# Altium PCB Motherboard_PCB_Trimmed.PcbDoc (part 5 of 5)
Units mm, origin at the board's own origin, x right, y up, seen from the top; angles counter-clockwise.
Board outline 167.96 x 167.95 mm, 6 copper layers (Top, VCC, VS, Internal, GND, Bottom), stack 1.797 mm thick; 578 components, 549 nets, 2587 pads, 1599 vias.
Unrouted connection lines stored in the file: 2.
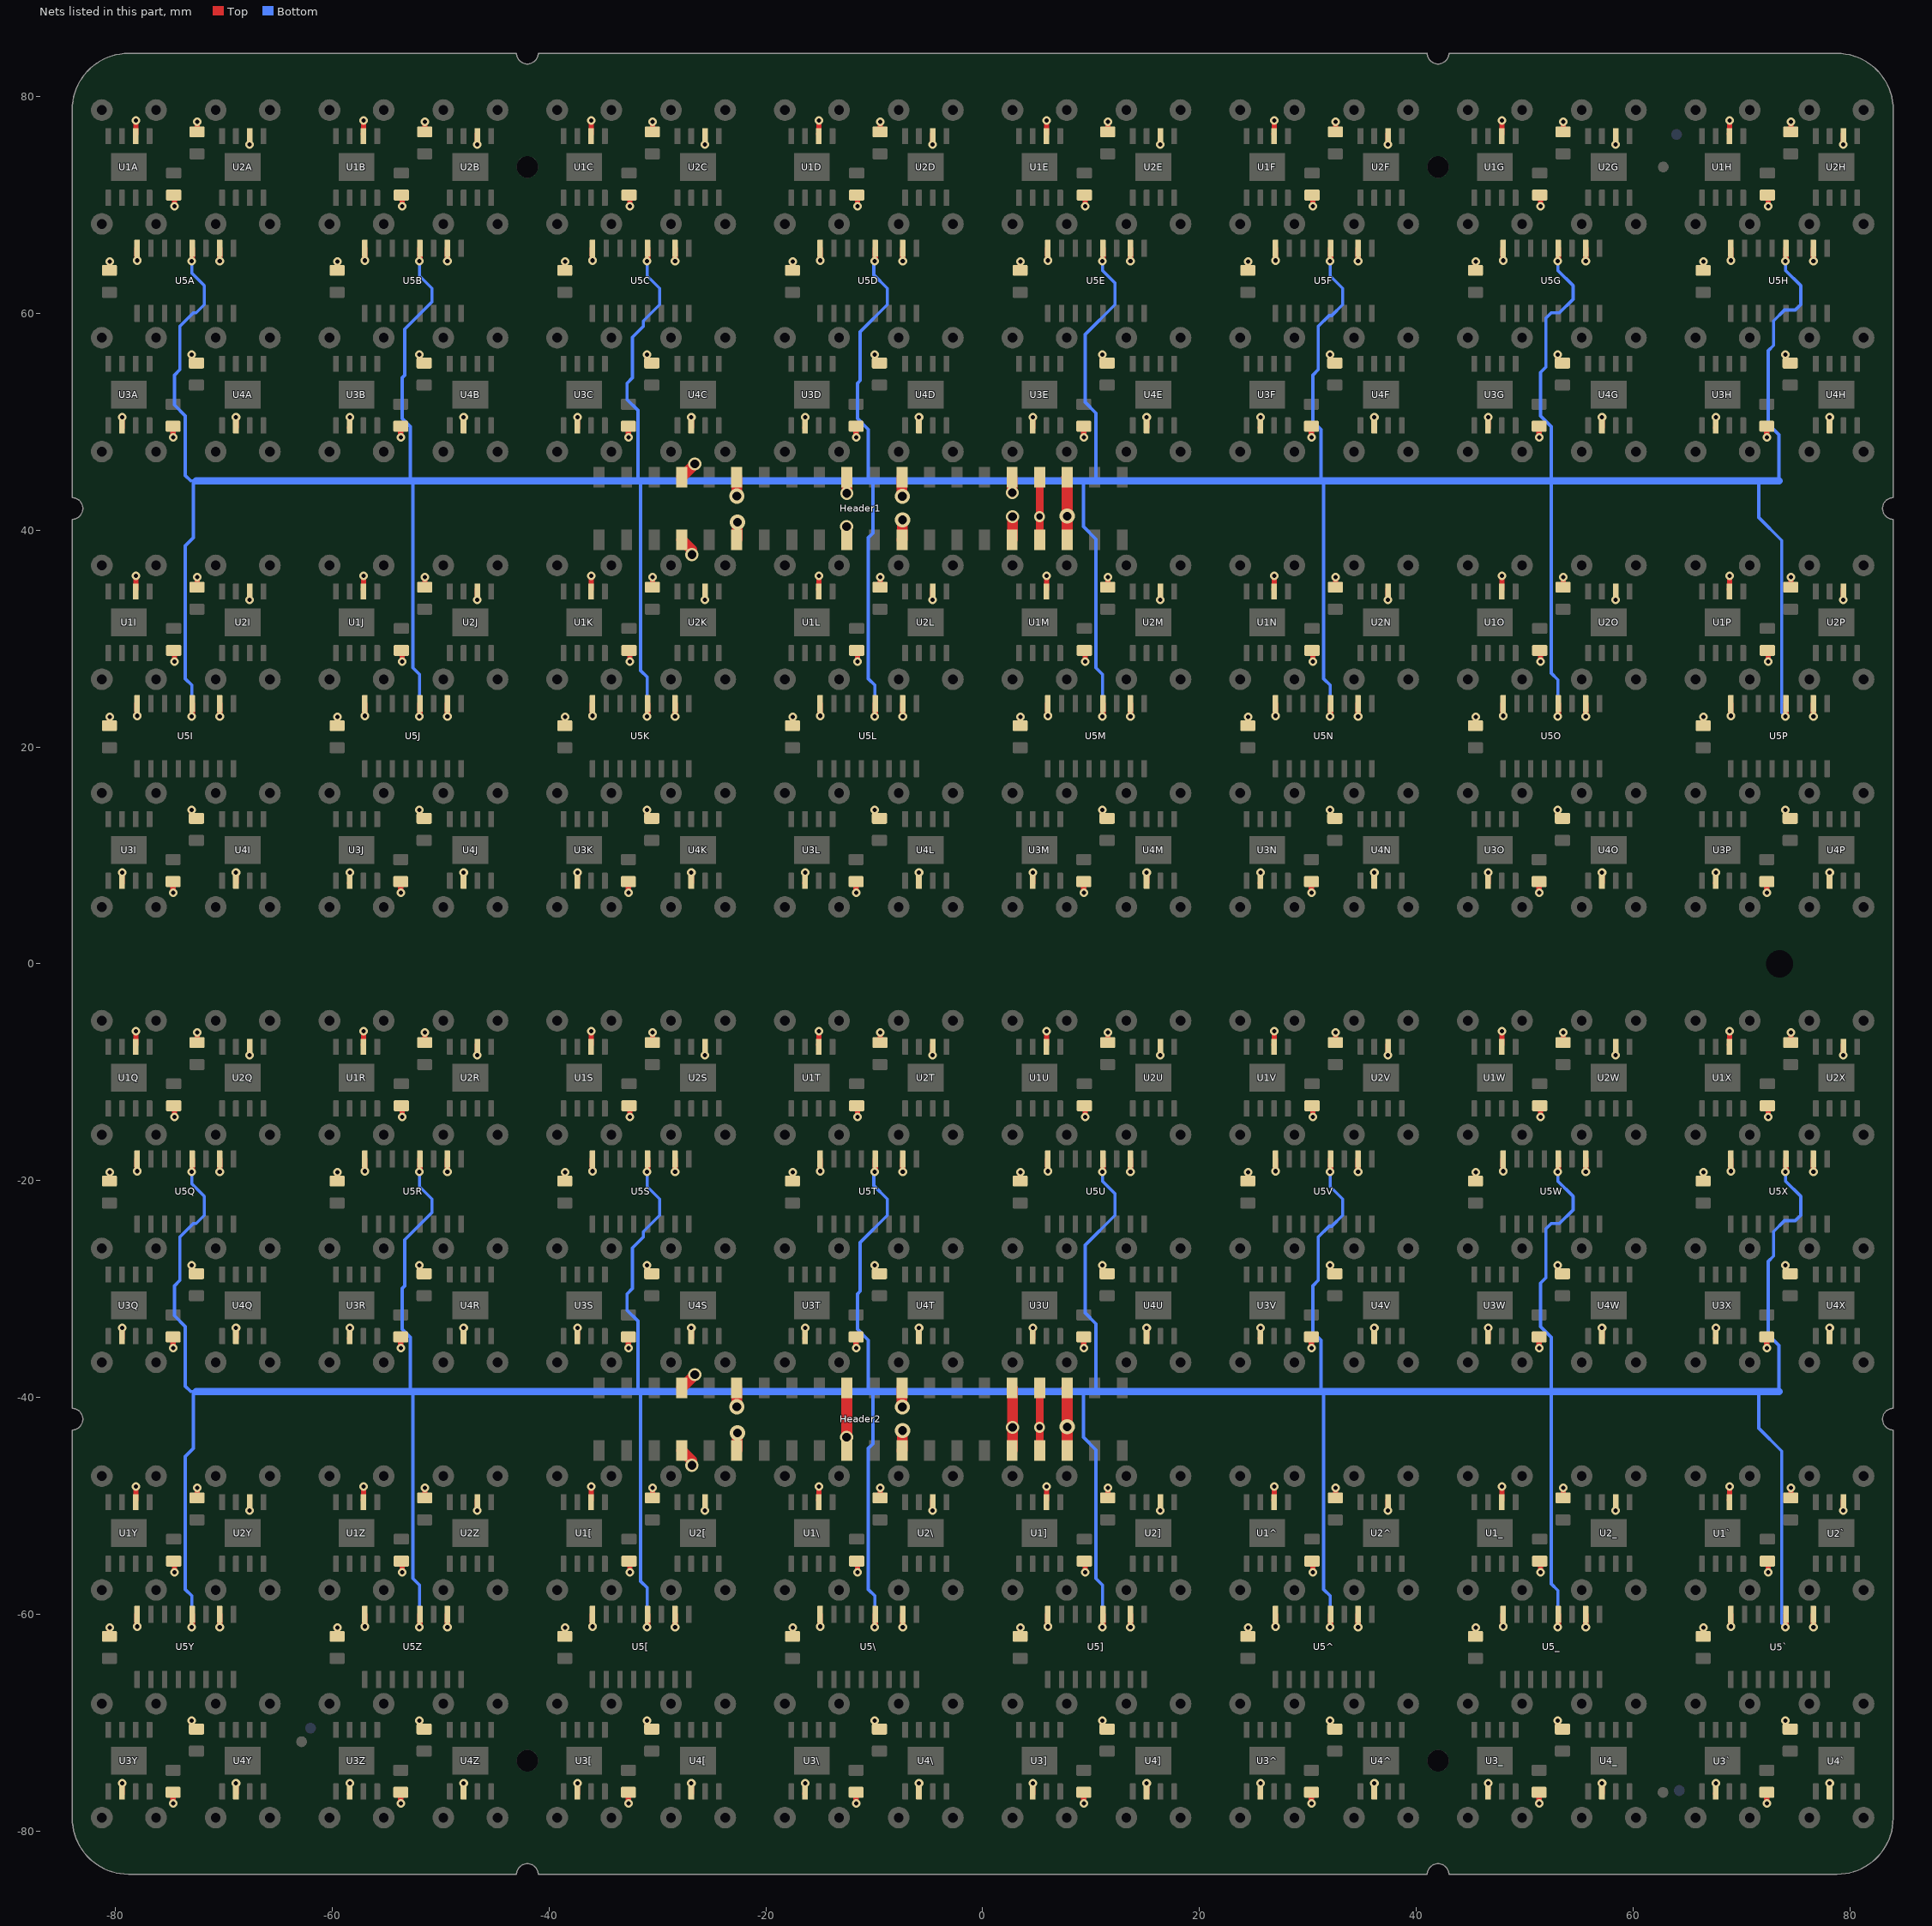
[diagram p9: the nets of this part, all layers, seen from the top]

## Via types
v1: diameter 0.8, hole 0.4, Top to Bottom, tented both sides, 1061 vias
v2: diameter 0.8, hole 0.4, Top to Bottom, 512 vias
v3: diameter 1.4, hole 0.8, Top to Bottom, tented both sides, 10 vias
v4: diameter 1.2, hole 0.8, Top to Bottom, tented both sides, 10 vias
v5: diameter 1, hole 0.6, Top to Bottom, tented both sides, 6 vias

## Nets (pads, with @x,y where several pads share a name; then routed paths per layer and width w, separated by ;. In a path a pad name is that pad's centre, name@x,y a point inside that pad or via, vN(x,y) a via of type N, cw(c..) or ccw(c..) an arc to the next point about the centre after c; other vN are vias at no path point) (continued)
STCP: Header1.33 Header1.34 Header2.33 Header2.34 U5[.12 U5\.12 U5].12 U5^.12 U5_.12 U5`.12 U5A.12 U5B.12 U5C.12 U5D.12 U5E.12 U5F.12 U5G.12 U5H.12 U5I.12 U5J.12 U5K.12 U5L.12 U5M.12 U5N.12 U5O.12 U5P.12 U5Q.12 U5R.12 U5S.12 U5T.12 U5U.12 U5V.12 U5W.12 U5X.12 U5Y.12 U5Z.12 | length 1065.9
  Top w0.5: v1(-72.95,-61.175) -72.915,-61.14 U5Y.12@-72.915,-60 ; v1(-72.95,-19.175) -72.915,-19.14 U5Q.12@-72.915,-18 ; v1(-72.95,22.825) -72.915,22.86 U5I.12@-72.915,24 ; v1(-72.95,64.825) -72.915,64.86 U5A.12@-72.915,66 ; v1(-51.95,-61.175) -51.915,-61.14 U5Z.12@-51.915,-60 ; v1(-51.95,-19.175) -51.915,-19.14 U5R.12@-51.915,-18 ; v1(-51.95,22.825) -51.915,22.86 U5J.12@-51.915,24 ; v1(-51.95,64.825) -51.915,64.86 U5B.12@-51.915,66 ; v1(-30.95,-61.175) -30.915,-61.14 U5[.12@-30.915,-60 ; v1(-30.95,-19.175) -30.915,-19.14 U5S.12@-30.915,-18 ; v1(-30.95,22.825) -30.915,22.86 U5K.12@-30.915,24 ; v1(-30.95,64.825) -30.915,64.86 U5C.12@-30.915,66 ; v1(-9.95,-61.175) -9.915,-61.14 U5\.12@-9.915,-60 ; v1(-9.95,-19.175) -9.915,-19.14 U5T.12@-9.915,-18 ; v1(-9.95,22.825) -9.915,22.86 U5L.12@-9.915,24 ; v1(-9.95,64.825) -9.915,64.86 U5D.12@-9.915,66 ; v1(11.05,-61.175) 11.085,-61.14 U5].12@11.085,-60 ; v1(11.05,-19.175) 11.085,-19.14 U5U.12@11.085,-18 ; v1(11.05,22.825) 11.085,22.86 U5M.12@11.085,24 ; v1(11.05,64.825) 11.085,64.86 U5E.12@11.085,66 ; v1(32.05,-61.175) 32.085,-61.14 U5^.12@32.085,-60 ; v1(32.05,-19.175) 32.085,-19.14 U5V.12@32.085,-18 ; v1(32.05,22.825) 32.085,22.86 U5N.12@32.085,24 ; v1(32.05,64.825) 32.085,64.86 U5F.12@32.085,66 ; v1(53.05,-61.175) 53.085,-61.14 U5_.12@53.085,-60 ; v1(53.05,-19.175) 53.085,-19.14 U5W.12@53.085,-18 ; v1(53.05,22.825) 53.085,22.86 U5O.12@53.085,24 ; v1(53.05,64.825) 53.085,64.86 U5G.12@53.085,66 ; v1(74.05,-61.175) 74.085,-61.14 U5`.12@74.085,-60 ; v1(74.05,-19.175) 74.085,-19.14 U5X.12@74.085,-18 ; v1(74.05,22.825) 74.085,22.86 U5P.12@74.085,24 ; v1(74.05,64.825) 74.085,64.86 U5H.12@74.085,66
  Top w0.7: Header2.33@5.255,-44.887 v5(5.255,-42.75) Header2.34@5.255,-39.106 Header2.34@5.255,-39.1 ; Header1.33@5.255,39.112 v5(5.255,41.25) Header1.34@5.255,44.9
  Bottom w0.3: v1(-72.95,-61.175) -72.95,-58.3 -73.55,-57.7 -73.55,-45.45 -72.8,-44.7 -72.8,-39.7 -72.55,-39.45 -73.05,-39.45 -73.55,-38.95 -73.55,-33.45 -74.55,-32.45 -74.55,-29.7 -74.05,-29.2 -74.05,-25.2 -72.8,-23.95 -72.55,-23.95 -71.8,-23.2 -71.8,-21.45 -72.95,-20.3 v1(-72.95,-19.175) ; v1(-72.95,22.825) -72.95,25.7 -73.55,26.3 -73.55,38.55 -72.8,39.3 -72.8,44.3 -72.55,44.55 -73.05,44.55 -73.55,45.05 -73.55,50.55 -74.55,51.55 -74.55,54.3 -74.05,54.8 -74.05,58.8 -72.8,60.05 -72.55,60.05 -71.8,60.8 -71.8,62.55 -72.95,63.7 v1(-72.95,64.825) ; v1(-51.95,-61.175) -51.95,-57.3 -52.55,-56.7 -52.55,-39.7 -52.8,-39.45 -52.8,-34.45 -53.55,-33.7 -53.55,-29.95 -53.3,-29.7 -53.3,-25.45 -50.8,-22.95 -50.8,-21.7 -51.95,-20.55 v1(-51.95,-19.175) ; v1(-51.95,22.825) -51.95,26.7 -52.55,27.3 -52.55,44.3 -52.8,44.55 -52.8,49.55 -53.55,50.3 -53.55,54.05 -53.3,54.3 -53.3,58.55 -50.8,61.05 -50.8,62.3 -51.95,63.45 v1(-51.95,64.825) ; v1(-30.95,-61.175) -30.95,-57.55 -31.55,-56.95 -31.55,-39.7 -31.8,-39.45 -31.8,-32.95 -32.8,-31.95 -32.8,-30.45 -32.3,-29.95 -32.3,-26.2 -31.3,-25.2 -31.3,-24.7 -29.8,-23.2 -29.8,-21.7 -30.95,-20.55 v1(-30.95,-19.175) ; v1(-30.95,22.825) -30.95,26.45 -31.55,27.05 -31.55,44.3 -31.8,44.55 -31.8,51.05 -32.8,52.05 -32.8,53.55 -32.3,54.05 -32.3,57.8 -31.3,58.8 -31.3,59.3 -29.8,60.8 -29.8,62.3 -30.95,63.45 v1(-30.95,64.825) ; -10.55,-39.45 -10.55,-34.7 -11.55,-33.7 -11.55,-30.45 -11.3,-30.2 -11.3,-25.7 -8.8,-23.2 -8.8,-21.7 -10.05,-20.45 -10.05,-19.2 -9.975,-19.2 v1(-9.95,-19.175) ; -10.55,44.55 -10.55,49.3 -11.55,50.3 -11.55,53.55 -11.3,53.8 -11.3,58.3 -8.8,60.8 -8.8,62.3 -10.05,63.55 -10.05,64.8 -9.975,64.8 v1(-9.95,64.825) ; -10.125,-39.45 -10.125,-44.275 -10.55,-44.7 -10.55,-57.7 -9.95,-58.3 v1(-9.95,-61.175) ; -10.125,44.55 -10.125,39.725 -10.55,39.3 -10.55,26.3 -9.95,25.7 v1(-9.95,22.825) ; 9.3,-39.45 9.3,-43.675 10.45,-44.825 10.45,-56.7 11.05,-57.3 v1(11.05,-61.175) ; 9.3,44.55 9.3,40.325 10.45,39.175 10.45,27.3 11.05,26.7 v1(11.05,22.825) ; 10.45,-39.45 10.45,-33.2 9.45,-32.2 9.45,-25.95 12.2,-23.2 12.2,-21.2 11.05,-20.05 v1(11.05,-19.175) ; 10.45,44.55 10.45,50.8 9.45,51.8 9.45,58.05 12.2,60.8 12.2,62.8 11.05,63.95 v1(11.05,64.825) ; v1(32.05,-61.175) 32.05,-58.3 31.45,-57.7 31.45,-39.7 31.2,-39.45 31.2,-34.7 30.45,-33.95 30.45,-29.7 30.95,-29.2 30.95,-25.2 31.95,-24.2 32.2,-24.2 33.2,-23.2 33.2,-21.7 32.05,-20.55 v1(32.05,-19.175) ; v1(32.05,22.825) 32.05,25.7 31.45,26.3 31.45,44.3 31.2,44.55 31.2,49.3 30.45,50.05 30.45,54.3 30.95,54.8 30.95,58.8 31.95,59.8 32.2,59.8 33.2,60.8 33.2,62.3 32.05,63.45 v1(32.05,64.825) ; v1(53.05,-61.175) 53.05,-57.8 52.45,-57.2 52.45,-44.7 52.45,-39.45 52.45,-34.45 51.45,-33.45 51.45,-29.45 51.95,-28.95 51.95,-24.45 52.45,-23.95 53.2,-23.95 54.45,-22.7 54.45,-21.45 53.05,-20.05 v1(53.05,-19.175) ; v1(53.05,22.825) 53.05,26.2 52.45,26.8 52.45,39.3 52.45,44.55 52.45,49.55 51.45,50.55 51.45,54.55 51.95,55.05 51.95,59.55 52.45,60.05 53.2,60.05 54.45,61.3 54.45,62.55 53.05,63.95 v1(53.05,64.825) ; 71.575,-39.45 71.575,-42.825 73.7,-44.95 73.7,-60.825 v1(74.05,-61.175) ; 71.575,44.55 71.575,41.175 73.7,39.05 73.7,23.175 v1(74.05,22.825) ; 73.45,-39.45 73.45,-35.2 72.45,-34.2 72.45,-27.45 72.95,-26.95 72.95,-24.7 73.95,-23.7 74.95,-23.7 75.45,-23.2 75.45,-21.45 74.05,-20.05 v1(74.05,-19.175) ; 73.45,44.55 73.45,48.8 72.45,49.8 72.45,56.55 72.95,57.05 72.95,59.3 73.95,60.3 74.95,60.3 75.45,60.8 75.45,62.55 74.05,63.95 v1(74.05,64.825)
  Bottom w0.7: -72.55,-39.45 -52.8,-39.45 -31.8,-39.45 -10.55,-39.45 -10.125,-39.45 5.275,-39.45 ; -72.55,44.55 -52.8,44.55 -31.8,44.55 -10.55,44.55 -10.125,44.55 5.275,44.55 ; v5(5.255,-42.75) 5.255,-39.48 5.25,-39.475 5.275,-39.45 ; v5(5.255,41.25) 5.255,44.52 5.25,44.525 5.275,44.55 ; 73.45,-39.45 71.575,-39.45 52.45,-39.45 31.2,-39.45 10.45,-39.45 9.3,-39.45 5.275,-39.45 ; 73.45,44.55 71.575,44.55 52.45,44.55 31.2,44.55 10.45,44.55 9.3,44.55 5.275,44.55
VCC: C1[.1 C1\.1 C1].1 C1^.1 C1_.1 C1`.1 C1A.1 C1B.1 C1C.1 C1D.1 C1E.1 C1F.1 C1G.1 C1H.1 C1I.1 C1J.1 C1K.1 C1L.1 C1M.1 C1N.1 C1O.1 C1P.1 C1Q.1 C1R.1 C1S.1 C1T.1 C1U.1 C1V.1 C1W.1 C1X.1 C1Y.1 C1Z.1 Header1.7 Header1.8 Header1.19 Header1.20 Header1.31 Header1.32 Header2.7 Header2.8 Header2.19 Header2.20 Header2.31 Header2.32 U5[.10 U5[.16 U5\.10 U5\.16 U5].10 U5].16 U5^.10 U5^.16 U5_.10 U5_.16 U5`.10 U5`.16 U5A.10 U5A.16 U5B.10 U5B.16 U5C.10 U5C.16 U5D.10 U5D.16 U5E.10 U5E.16 U5F.10 U5F.16 U5G.10 U5G.16 U5H.10 U5H.16 U5I.10 U5I.16 U5J.10 U5J.16 U5K.10 U5K.16 U5L.10 U5L.16 U5M.10 U5M.16 U5N.10 U5N.16 U5O.10 U5O.16 U5P.10 U5P.16 U5Q.10 U5Q.16 U5R.10 U5R.16 U5S.10 U5S.16 U5T.10 U5T.16 U5U.10 U5U.16 U5V.10 U5V.16 U5W.10 U5W.16 U5X.10 U5X.16 U5Y.10 U5Y.16 U5Z.10 U5Z.16 | length 124.8
  Top w0.381: C1Q.1@-80.55,-20.034 -80.55,-19.25 v1(-80.525,-19.225) ; C1A.1@-80.55,63.966 -80.55,64.75 v1(-80.525,64.775)
  Top w0.508: C1Y.1@-80.55,-62.034 -80.525,-62.009 v1(-80.525,-61.225) ; C1I.1@-80.55,21.966 -80.525,21.991 v1(-80.525,22.775) ; v1(-78,-61.125) -77.995,-61.12 U5Y.16@-77.995,-60 ; v1(-78,-19.125) -77.995,-19.12 U5Q.16@-77.995,-18 ; v1(-78,22.875) -77.995,22.88 U5I.16@-77.995,24 ; v1(-78,64.875) -77.995,64.88 U5A.16@-77.995,66 ; v1(-70.375,-61.175) U5Y.10@-70.375,-60 ; v1(-70.375,-19.175) U5Q.10@-70.375,-18 ; v1(-70.375,22.825) U5I.10@-70.375,24 ; v1(-70.375,64.825) U5A.10@-70.375,66 ; C1Z.1@-59.55,-62.034 -59.525,-62.009 v1(-59.525,-61.225) ; C1R.1@-59.55,-20.034 -59.525,-20.009 v1(-59.525,-19.225) ; C1J.1@-59.55,21.966 -59.525,21.991 v1(-59.525,22.775) ; C1B.1@-59.55,63.966 -59.525,63.991 v1(-59.525,64.775) ; v1(-57,-61.125) -56.995,-61.12 U5Z.16@-56.995,-60 ; v1(-57,-19.125) -56.995,-19.12 U5R.16@-56.995,-18 ; v1(-57,22.875) -56.995,22.88 U5J.16@-56.995,24 ; v1(-57,64.875) -56.995,64.88 U5B.16@-56.995,66 ; v1(-49.375,-61.175) U5Z.10@-49.375,-60 ; v1(-49.375,-19.175) U5R.10@-49.375,-18 ; v1(-49.375,22.825) U5J.10@-49.375,24 ; v1(-49.375,64.825) U5B.10@-49.375,66 ; C1[.1@-38.55,-62.034 -38.525,-62.009 v1(-38.525,-61.225) ; C1S.1@-38.55,-20.034 -38.525,-20.009 v1(-38.525,-19.225) ; C1K.1@-38.55,21.966 -38.525,21.991 v1(-38.525,22.775) ; C1C.1@-38.55,63.966 -38.525,63.991 v1(-38.525,64.775) ; v1(-36,-61.125) -35.995,-61.12 U5[.16@-35.995,-60 ; v1(-36,-19.125) -35.995,-19.12 U5S.16@-35.995,-18 ; v1(-36,22.875) -35.995,22.88 U5K.16@-35.995,24 ; v1(-36,64.875) -35.995,64.88 U5C.16@-35.995,66 ; v1(-28.375,-61.175) U5[.10@-28.375,-60 ; v1(-28.375,-19.175) U5S.10@-28.375,-18 ; v1(-28.375,22.825) U5K.10@-28.375,24 ; v1(-28.375,64.825) U5C.10@-28.375,66 ; C1\.1@-17.55,-62.034 -17.525,-62.009 v1(-17.525,-61.225) ; C1T.1@-17.55,-20.034 -17.525,-20.009 v1(-17.525,-19.225) ; C1L.1@-17.55,21.966 -17.525,21.991 v1(-17.525,22.775) ; C1D.1@-17.55,63.966 -17.525,63.991 v1(-17.525,64.775) ; v1(-15,-61.125) -14.995,-61.12 U5\.16@-14.995,-60 ; v1(-15,-19.125) -14.995,-19.12 U5T.16@-14.995,-18 ; v1(-15,22.875) -14.995,22.88 U5L.16@-14.995,24 ; v1(-15,64.875) -14.995,64.88 U5D.16@-14.995,66 ; v1(-7.375,-61.175) U5\.10@-7.375,-60 ; v1(-7.375,-19.175) U5T.10@-7.375,-18 ; v1(-7.375,22.825) U5L.10@-7.375,24 ; v1(-7.375,64.825) U5D.10@-7.375,66 ; C1].1@3.45,-62.034 3.475,-62.009 v1(3.475,-61.225) ; C1U.1@3.45,-20.034 3.475,-20.009 v1(3.475,-19.225) ; C1M.1@3.45,21.966 3.475,21.991 v1(3.475,22.775) ; C1E.1@3.45,63.966 3.475,63.991 v1(3.475,64.775) ; v1(6,-61.125) 6.005,-61.12 U5].16@6.005,-60 ; v1(6,-19.125) 6.005,-19.12 U5U.16@6.005,-18 ; v1(6,22.875) 6.005,22.88 U5M.16@6.005,24 ; v1(6,64.875) 6.005,64.88 U5E.16@6.005,66 ; v1(13.625,-61.175) U5].10@13.625,-60 ; v1(13.625,-19.175) U5U.10@13.625,-18 ; v1(13.625,22.825) U5M.10@13.625,24 ; v1(13.625,64.825) U5E.10@13.625,66 ; C1^.1@24.45,-62.034 24.475,-62.009 v1(24.475,-61.225) ; C1V.1@24.45,-20.034 24.475,-20.009 v1(24.475,-19.225) ; C1N.1@24.45,21.966 24.475,21.991 v1(24.475,22.775) ; C1F.1@24.45,63.966 24.475,63.991 v1(24.475,64.775) ; v1(27,-61.125) 27.005,-61.12 U5^.16@27.005,-60 ; v1(27,-19.125) 27.005,-19.12 U5V.16@27.005,-18 ; v1(27,22.875) 27.005,22.88 U5N.16@27.005,24 ; v1(27,64.875) 27.005,64.88 U5F.16@27.005,66 ; v1(34.625,-61.175) U5^.10@34.625,-60 ; v1(34.625,-19.175) U5V.10@34.625,-18 ; v1(34.625,22.825) U5N.10@34.625,24 ; v1(34.625,64.825) U5F.10@34.625,66 ; C1_.1@45.45,-62.034 45.475,-62.009 v1(45.475,-61.225) ; C1W.1@45.45,-20.034 45.475,-20.009 v1(45.475,-19.225) ; C1O.1@45.45,21.966 45.475,21.991 v1(45.475,22.775) ; C1G.1@45.45,63.966 45.475,63.991 v1(45.475,64.775) ; v1(48,-61.125) 48.005,-61.12 U5_.16@48.005,-60 ; v1(48,-19.125) 48.005,-19.12 U5W.16@48.005,-18 ; v1(48,22.875) 48.005,22.88 U5O.16@48.005,24 ; v1(48,64.875) 48.005,64.88 U5G.16@48.005,66 ; v1(55.625,-61.175) U5_.10@55.625,-60 ; v1(55.625,-19.175) U5W.10@55.625,-18 ; v1(55.625,22.825) U5O.10@55.625,24 ; v1(55.625,64.825) U5G.10@55.625,66 ; C1`.1@66.45,-62.034 66.475,-62.009 v1(66.475,-61.225) ; C1X.1@66.45,-20.034 66.475,-20.009 v1(66.475,-19.225) ; C1P.1@66.45,21.966 66.475,21.991 v1(66.475,22.775) ; C1H.1@66.45,63.966 66.475,63.991 v1(66.475,64.775) ; v1(69,-61.125) 69.005,-61.12 U5`.16@69.005,-60 ; v1(69,-19.125) 69.005,-19.12 U5X.16@69.005,-18 ; v1(69,22.875) 69.005,22.88 U5P.16@69.005,24 ; v1(69,64.875) 69.005,64.88 U5H.16@69.005,66 ; v1(76.625,-61.175) U5`.10@76.625,-60 ; v1(76.625,-19.175) U5X.10@76.625,-18 ; v1(76.625,22.825) U5P.10@76.625,24 ; v1(76.625,64.825) U5H.10@76.625,66
  Top w1: Header2.7@-27.765,-44.887 -26.825,-45.827 v4(-26.825,-46.25) ; Header2.8@-27.765,-39.1 -27.75,-39.1 v4(-26.55,-37.9) ; Header1.7@-27.765,39.112 -26.825,38.173 v4(-26.825,37.75) ; Header1.8@-27.765,44.9 -27.75,44.9 v4(-26.55,46.1) ; v4(-12.55,40.325) -12.55,39.138 Header1.19@-12.525,39.112 ; Header2.19@-12.525,-44.887 -12.55,-44.862 v4(-12.55,-43.675) -12.535,-43.66 -12.535,-39.116 Header2.20@-12.525,-39.106 ; v4(-12.525,43.4) Header1.20@-12.525,44.9 ; Header2.31@2.715,-44.887 2.7,-44.872 2.75,-44.822 v4(2.75,-42.75) 2.75,-39.141 Header2.32@2.715,-39.106 ; Header1.31@2.715,39.112 2.7,39.128 2.75,39.178 v4(2.75,41.25) ; Header1.32@2.715,44.9 2.725,44.89 v4(2.725,43.452)
VS: C2[.1 C2\.1 C2].1 C2^.1 C2_.1 C2`.1 C2A.1 C2B.1 C2C.1 C2D.1 C2E.1 C2F.1 C2G.1 C2H.1 C2I.1 C2J.1 C2K.1 C2L.1 C2M.1 C2N.1 C2O.1 C2P.1 C2Q.1 C2R.1 C2S.1 C2T.1 C2U.1 C2V.1 C2W.1 C2X.1 C2Y.1 C2Z.1 C4[.1 C4\.1 C4].1 C4^.1 C4_.1 C4`.1 C4A.1 C4B.1 C4C.1 C4D.1 C4E.1 C4F.1 C4G.1 C4H.1 C4I.1 C4J.1 C4K.1 C4L.1 C4M.1 C4N.1 C4O.1 C4P.1 C4Q.1 C4R.1 C4S.1 C4T.1 C4U.1 C4V.1 C4W.1 C4X.1 C4Y.1 C4Z.1 C6[.1 C6\.1 C6].1 C6^.1 C6_.1 C6`.1 C6A.1 C6B.1 C6C.1 C6D.1 C6E.1 C6F.1 C6G.1 C6H.1 C6I.1 C6J.1 C6K.1 C6L.1 C6M.1 C6N.1 C6O.1 C6P.1 C6Q.1 C6R.1 C6S.1 C6T.1 C6U.1 C6V.1 C6W.1 C6X.1 C6Y.1 C6Z.1 C8[.1 C8\.1 C8].1 C8^.1 C8_.1 C8`.1 C8A.1 C8B.1 C8C.1 C8D.1 C8E.1 C8F.1 C8G.1 C8H.1 C8I.1 C8J.1 C8K.1 C8L.1 C8M.1 C8N.1 C8O.1 C8P.1 C8Q.1 C8R.1 C8S.1 C8T.1 C8U.1 C8V.1 C8W.1 C8X.1 C8Y.1 C8Z.1 Header1.11 Header1.12 Header1.23 Header1.24 Header1.35 Header1.36 Header2.11 Header2.12 Header2.23 Header2.24 Header2.35 Header2.36 U1[.6 U1\.6 U1].6 U1^.6 U1_.6 U1`.6 U1A.6 U1B.6 U1C.6 U1D.6 U1E.6 U1F.6 U1G.6 U1H.6 U1I.6 U1J.6 U1K.6 U1L.6 U1M.6 U1N.6 U1O.6 U1P.6 U1Q.6 U1R.6 U1S.6 U1T.6 U1U.6 U1V.6 U1W.6 U1X.6 U1Y.6 U1Z.6 U2[.6 U2\.6 U2].6 U2^.6 U2_.6 U2`.6 U2A.6 U2B.6 U2C.6 U2D.6 U2E.6 U2F.6 U2G.6 U2H.6 U2I.6 U2J.6 U2K.6 U2L.6 U2M.6 U2N.6 U2O.6 U2P.6 U2Q.6 U2R.6 U2S.6 U2T.6 U2U.6 U2V.6 U2W.6 U2X.6 U2Y.6 U2Z.6 U3[.6 U3\.6 U3].6 U3^.6 U3_.6 U3`.6 U3A.6 U3B.6 U3C.6 U3D.6 U3E.6 U3F.6 U3G.6 U3H.6 U3I.6 U3J.6 U3K.6 U3L.6 U3M.6 U3N.6 U3O.6 U3P.6 U3Q.6 U3R.6 U3S.6 U3T.6 U3U.6 U3V.6 U3W.6 U3X.6 U3Y.6 U3Z.6 U4[.6 U4\.6 U4].6 U4^.6 U4_.6 U4`.6 U4A.6 U4B.6 U4C.6 U4D.6 U4E.6 U4F.6 U4G.6 U4H.6 U4I.6 U4J.6 U4K.6 U4L.6 U4M.6 U4N.6 U4O.6 U4P.6 U4Q.6 U4R.6 U4S.6 U4T.6 U4U.6 U4V.6 U4W.6 U4X.6 U4Y.6 U4Z.6 | length 289.1
  Top w0.5: U3Y.6@-79.385,-76.545 -79.375,-76.535 v1(-79.375,-75.575) ; U3Q.6@-79.385,-34.545 -79.375,-34.535 v1(-79.375,-33.575) ; U3I.6@-79.385,7.455 -79.375,7.465 v1(-79.375,8.425) ; U3A.6@-79.385,49.455 -79.375,49.465 v1(-79.375,50.425) ; U1Y.6@-78.125,-49.465 -78.1,-49.44 v1(-78.1,-48.225) ; U1Q.6@-78.125,-7.465 -78.1,-7.44 v1(-78.1,-6.225) ; U1I.6@-78.125,34.535 -78.1,34.56 v1(-78.1,35.775) ; U1A.6@-78.125,76.535 -78.1,76.56 v1(-78.1,77.775) ; v1(-74.675,-77.45) C6Y.1@-74.675,-76.49 ; v1(-74.675,-35.45) C6Q.1@-74.675,-34.49 ; v1(-74.675,6.55) C6I.1@-74.675,7.51 ; v1(-74.675,48.55) C6A.1@-74.675,49.51 ; C2Y.1@-74.625,-55.091 -74.65,-55.116 -74.55,-55.216 -74.7,-55.366 -74.55,-55.516 v1(-74.55,-56.125) ; C2Q.1@-74.625,-13.091 -74.65,-13.116 -74.55,-13.216 -74.7,-13.366 -74.55,-13.516 v1(-74.55,-14.125) ; C2I.1@-74.625,28.909 -74.65,28.884 -74.55,28.784 -74.7,28.634 -74.55,28.484 v1(-74.55,27.875) ; C2A.1@-74.625,70.909 -74.65,70.884 -74.55,70.784 -74.7,70.634 -74.55,70.484 v1(-74.55,69.875) ; v1(-72.95,-69.8) -72.95,-70.135 C8Y.1@-72.5,-70.585 ; v1(-72.95,-27.8) -72.95,-28.135 C8Q.1@-72.5,-28.585 ; v1(-72.95,14.2) -72.95,13.865 C8I.1@-72.5,13.415 ; v1(-72.95,56.2) -72.95,55.865 C8A.1@-72.5,55.415 ; C4Y.1@-72.475,-49.259 -72.45,-49.234 v1(-72.45,-48.325) ; C4Q.1@-72.475,-7.259 -72.45,-7.234 v1(-72.45,-6.325) ; C4I.1@-72.475,34.741 -72.45,34.766 v1(-72.45,35.675) ; C4A.1@-72.475,76.741 -72.45,76.766 v1(-72.45,77.675) ; U4Y.6@-68.875,-76.535 v1(-68.875,-75.575) ; U4Q.6@-68.875,-34.535 v1(-68.875,-33.575) ; U4I.6@-68.875,7.465 v1(-68.875,8.425) ; U4A.6@-68.875,49.465 v1(-68.875,50.425) ; v1(-67.625,-50.425) U2Y.6@-67.625,-49.465 ; v1(-67.625,-8.425) U2Q.6@-67.625,-7.465 ; v1(-67.625,33.575) U2I.6@-67.625,34.535 ; v1(-67.625,75.575) U2A.6@-67.625,76.535 ; U3Z.6@-58.385,-76.545 -58.375,-76.535 v1(-58.375,-75.575) ; U3R.6@-58.385,-34.545 -58.375,-34.535 v1(-58.375,-33.575) ; U3J.6@-58.385,7.455 -58.375,7.465 v1(-58.375,8.425) ; U3B.6@-58.385,49.455 -58.375,49.465 v1(-58.375,50.425) ; U1Z.6@-57.125,-49.465 -57.1,-49.44 v1(-57.1,-48.225) ; U1R.6@-57.125,-7.465 -57.1,-7.44 v1(-57.1,-6.225) ; U1J.6@-57.125,34.535 -57.1,34.56 v1(-57.1,35.775) ; U1B.6@-57.125,76.535 -57.1,76.56 v1(-57.1,77.775) ; v1(-53.675,-77.45) C6Z.1@-53.675,-76.49 ; v1(-53.675,-35.45) C6R.1@-53.675,-34.49 ; v1(-53.675,6.55) C6J.1@-53.675,7.51 ; v1(-53.675,48.55) C6B.1@-53.675,49.51 ; C2Z.1@-53.625,-55.091 -53.65,-55.116 -53.55,-55.216 -53.7,-55.366 -53.55,-55.516 v1(-53.55,-56.125) ; C2R.1@-53.625,-13.091 -53.65,-13.116 -53.55,-13.216 -53.7,-13.366 -53.55,-13.516 v1(-53.55,-14.125) ; C2J.1@-53.625,28.909 -53.65,28.884 -53.55,28.784 -53.7,28.634 -53.55,28.484 v1(-53.55,27.875) ; C2B.1@-53.625,70.909 -53.65,70.884 -53.55,70.784 -53.7,70.634 -53.55,70.484 v1(-53.55,69.875) ; v1(-51.95,-69.8) -51.95,-70.135 C8Z.1@-51.5,-70.585 ; v1(-51.95,-27.8) -51.95,-28.135 C8R.1@-51.5,-28.585 ; v1(-51.95,14.2) -51.95,13.865 C8J.1@-51.5,13.415 ; v1(-51.95,56.2) -51.95,55.865 C8B.1@-51.5,55.415 ; C4Z.1@-51.475,-49.259 -51.45,-49.234 v1(-51.45,-48.325) ; C4R.1@-51.475,-7.259 -51.45,-7.234 v1(-51.45,-6.325) ; C4J.1@-51.475,34.741 -51.45,34.766 v1(-51.45,35.675) ; C4B.1@-51.475,76.741 -51.45,76.766 v1(-51.45,77.675) ; U4Z.6@-47.875,-76.535 v1(-47.875,-75.575) ; U4R.6@-47.875,-34.535 v1(-47.875,-33.575) ; U4J.6@-47.875,7.465 v1(-47.875,8.425) ; U4B.6@-47.875,49.465 v1(-47.875,50.425) ; v1(-46.625,-50.425) U2Z.6@-46.625,-49.465 ; v1(-46.625,-8.425) U2R.6@-46.625,-7.465 ; v1(-46.625,33.575) U2J.6@-46.625,34.535 ; v1(-46.625,75.575) U2B.6@-46.625,76.535 ; U3[.6@-37.385,-76.545 -37.375,-76.535 v1(-37.375,-75.575) ; U3S.6@-37.385,-34.545 -37.375,-34.535 v1(-37.375,-33.575) ; U3K.6@-37.385,7.455 -37.375,7.465 v1(-37.375,8.425) ; U3C.6@-37.385,49.455 -37.375,49.465 v1(-37.375,50.425) ; U1[.6@-36.125,-49.465 -36.1,-49.44 v1(-36.1,-48.225) ; U1S.6@-36.125,-7.465 -36.1,-7.44 v1(-36.1,-6.225) ; U1K.6@-36.125,34.535 -36.1,34.56 v1(-36.1,35.775) ; U1C.6@-36.125,76.535 -36.1,76.56 v1(-36.1,77.775) ; v1(-32.675,-77.45) C6[.1@-32.675,-76.49 ; v1(-32.675,-35.45) C6S.1@-32.675,-34.49 ; v1(-32.675,6.55) C6K.1@-32.675,7.51 ; v1(-32.675,48.55) C6C.1@-32.675,49.51 ; C2[.1@-32.625,-55.091 -32.65,-55.116 -32.55,-55.216 -32.7,-55.366 -32.55,-55.516 v1(-32.55,-56.125) ; C2S.1@-32.625,-13.091 -32.65,-13.116 -32.55,-13.216 -32.7,-13.366 -32.55,-13.516 v1(-32.55,-14.125) ; C2K.1@-32.625,28.909 -32.65,28.884 -32.55,28.784 -32.7,28.634 -32.55,28.484 v1(-32.55,27.875) ; C2C.1@-32.625,70.909 -32.65,70.884 -32.55,70.784 -32.7,70.634 -32.55,70.484 v1(-32.55,69.875) ; v1(-30.95,-69.8) -30.95,-70.135 C8[.1@-30.5,-70.585 ; v1(-30.95,-27.8) -30.95,-28.135 C8S.1@-30.5,-28.585 ; v1(-30.95,14.2) -30.95,13.865 C8K.1@-30.5,13.415 ; v1(-30.95,56.2) -30.95,55.865 C8C.1@-30.5,55.415 ; C4[.1@-30.475,-49.259 -30.45,-49.234 v1(-30.45,-48.325) ; C4S.1@-30.475,-7.259 -30.45,-7.234 v1(-30.45,-6.325) ; C4K.1@-30.475,34.741 -30.45,34.766 v1(-30.45,35.675) ; C4C.1@-30.475,76.741 -30.45,76.766 v1(-30.45,77.675) ; U4[.6@-26.875,-76.535 v1(-26.875,-75.575) ; U4S.6@-26.875,-34.535 v1(-26.875,-33.575) ; U4K.6@-26.875,7.465 v1(-26.875,8.425) ; U4C.6@-26.875,49.465 v1(-26.875,50.425) ; v1(-25.625,-50.425) U2[.6@-25.625,-49.465 ; v1(-25.625,-8.425) U2S.6@-25.625,-7.465 ; v1(-25.625,33.575) U2K.6@-25.625,34.535 ; v1(-25.625,75.575) U2C.6@-25.625,76.535 ; U3\.6@-16.385,-76.545 -16.375,-76.535 v1(-16.375,-75.575) ; U3T.6@-16.385,-34.545 -16.375,-34.535 v1(-16.375,-33.575) ; U3L.6@-16.385,7.455 -16.375,7.465 v1(-16.375,8.425) ; U3D.6@-16.385,49.455 -16.375,49.465 v1(-16.375,50.425) ; U1\.6@-15.125,-49.465 -15.1,-49.44 v1(-15.1,-48.225) ; U1T.6@-15.125,-7.465 -15.1,-7.44 v1(-15.1,-6.225) ; U1L.6@-15.125,34.535 -15.1,34.56 v1(-15.1,35.775) ; U1D.6@-15.125,76.535 -15.1,76.56 v1(-15.1,77.775) ; v1(-11.675,-77.45) C6\.1@-11.675,-76.49 ; v1(-11.675,-35.45) C6T.1@-11.675,-34.49 ; v1(-11.675,6.55) C6L.1@-11.675,7.51 ; v1(-11.675,48.55) C6D.1@-11.675,49.51 ; C2\.1@-11.625,-55.091 -11.65,-55.116 -11.55,-55.216 -11.7,-55.366 -11.55,-55.516 v1(-11.55,-56.125) ; C2T.1@-11.625,-13.091 -11.65,-13.116 -11.55,-13.216 -11.7,-13.366 -11.55,-13.516 v1(-11.55,-14.125) ; C2L.1@-11.625,28.909 -11.65,28.884 -11.55,28.784 -11.7,28.634 -11.55,28.484 v1(-11.55,27.875) ; C2D.1@-11.625,70.909 -11.65,70.884 -11.55,70.784 -11.7,70.634 -11.55,70.484 v1(-11.55,69.875) ; v1(-9.95,-69.8) -9.95,-70.135 C8\.1@-9.5,-70.585 ; v1(-9.95,-27.8) -9.95,-28.135 C8T.1@-9.5,-28.585 ; v1(-9.95,14.2) -9.95,13.865 C8L.1@-9.5,13.415 ; v1(-9.95,56.2) -9.95,55.865 C8D.1@-9.5,55.415 ; C4\.1@-9.475,-49.259 -9.45,-49.234 v1(-9.45,-48.325) ; C4T.1@-9.475,-7.259 -9.45,-7.234 v1(-9.45,-6.325) ; C4L.1@-9.475,34.741 -9.45,34.766 v1(-9.45,35.675) ; C4D.1@-9.475,76.741 -9.45,76.766 v1(-9.45,77.675) ; U4\.6@-5.875,-76.535 v1(-5.875,-75.575) ; U4T.6@-5.875,-34.535 v1(-5.875,-33.575) ; U4L.6@-5.875,7.465 v1(-5.875,8.425) ; U4D.6@-5.875,49.465 v1(-5.875,50.425) ; v1(-4.625,-50.425) U2\.6@-4.625,-49.465 ; v1(-4.625,-8.425) U2T.6@-4.625,-7.465 ; v1(-4.625,33.575) U2L.6@-4.625,34.535 ; v1(-4.625,75.575) U2D.6@-4.625,76.535 ; U3].6@4.615,-76.545 4.625,-76.535 v1(4.625,-75.575) ; U3U.6@4.615,-34.545 4.625,-34.535 v1(4.625,-33.575) ; U3M.6@4.615,7.455 4.625,7.465 v1(4.625,8.425) ; U3E.6@4.615,49.455 4.625,49.465 v1(4.625,50.425) ; U1].6@5.875,-49.465 5.9,-49.44 v1(5.9,-48.225) ; U1U.6@5.875,-7.465 5.9,-7.44 v1(5.9,-6.225) ; U1M.6@5.875,34.535 5.9,34.56 v1(5.9,35.775) ; U1E.6@5.875,76.535 5.9,76.56 v1(5.9,77.775) ; v1(9.325,-77.45) C6].1@9.325,-76.49 ; v1(9.325,-35.45) C6U.1@9.325,-34.49 ; v1(9.325,6.55) C6M.1@9.325,7.51 ; v1(9.325,48.55) C6E.1@9.325,49.51 ; C2].1@9.375,-55.091 9.35,-55.116 9.45,-55.216 9.3,-55.366 9.45,-55.516 v1(9.45,-56.125) ; C2U.1@9.375,-13.091 9.35,-13.116 9.45,-13.216 9.3,-13.366 9.45,-13.516 v1(9.45,-14.125) ; C2M.1@9.375,28.909 9.35,28.884 9.45,28.784 9.3,28.634 9.45,28.484 v1(9.45,27.875) ; C2E.1@9.375,70.909 9.35,70.884 9.45,70.784 9.3,70.634 9.45,70.484 v1(9.45,69.875) ; v1(11.05,-69.8) 11.05,-70.135 C8].1@11.5,-70.585 ; v1(11.05,-27.8) 11.05,-28.135 C8U.1@11.5,-28.585 ; v1(11.05,14.2) 11.05,13.865 C8M.1@11.5,13.415 ; v1(11.05,56.2) 11.05,55.865 C8E.1@11.5,55.415 ; C4].1@11.525,-49.259 11.55,-49.234 v1(11.55,-48.325) ; C4U.1@11.525,-7.259 11.55,-7.234 v1(11.55,-6.325) ; C4M.1@11.525,34.741 11.55,34.766 v1(11.55,35.675) ; C4E.1@11.525,76.741 11.55,76.766 v1(11.55,77.675) ; U4].6@15.125,-76.535 v1(15.125,-75.575) ; U4U.6@15.125,-34.535 v1(15.125,-33.575) ; U4M.6@15.125,7.465 v1(15.125,8.425) ; U4E.6@15.125,49.465 v1(15.125,50.425) ; v1(16.375,-50.425) U2].6@16.375,-49.465 ; v1(16.375,-8.425) U2U.6@16.375,-7.465 ; v1(16.375,33.575) U2M.6@16.375,34.535 ; v1(16.375,75.575) U2E.6@16.375,76.535 ; U3^.6@25.615,-76.545 25.625,-76.535 v1(25.625,-75.575) ; U3V.6@25.615,-34.545 25.625,-34.535 v1(25.625,-33.575) ; U3N.6@25.615,7.455 25.625,7.465 v1(25.625,8.425) ; U3F.6@25.615,49.455 25.625,49.465 v1(25.625,50.425) ; U1^.6@26.875,-49.465 26.9,-49.44 v1(26.9,-48.225) ; U1V.6@26.875,-7.465 26.9,-7.44 v1(26.9,-6.225) ; U1N.6@26.875,34.535 26.9,34.56 v1(26.9,35.775) ; U1F.6@26.875,76.535 26.9,76.56 v1(26.9,77.775) ; v1(30.325,-77.45) C6^.1@30.325,-76.49 ; v1(30.325,-35.45) C6V.1@30.325,-34.49 ; v1(30.325,6.55) C6N.1@30.325,7.51 ; v1(30.325,48.55) C6F.1@30.325,49.51 ; C2^.1@30.375,-55.091 30.35,-55.116 30.45,-55.216 30.3,-55.366 30.45,-55.516 v1(30.45,-56.125) ; C2V.1@30.375,-13.091 30.35,-13.116 30.45,-13.216 30.3,-13.366 30.45,-13.516 v1(30.45,-14.125) ; C2N.1@30.375,28.909 30.35,28.884 30.45,28.784 30.3,28.634 30.45,28.484 v1(30.45,27.875) ; C2F.1@30.375,70.909 30.35,70.884 30.45,70.784 30.3,70.634 30.45,70.484 v1(30.45,69.875) ; v1(32.05,-69.8) 32.05,-70.135 C8^.1@32.5,-70.585 ; v1(32.05,-27.8) 32.05,-28.135 C8V.1@32.5,-28.585 ; v1(32.05,14.2) 32.05,13.865 C8N.1@32.5,13.415 ; v1(32.05,56.2) 32.05,55.865 C8F.1@32.5,55.415 ; C4^.1@32.525,-49.259 32.55,-49.234 v1(32.55,-48.325) ; C4V.1@32.525,-7.259 32.55,-7.234 v1(32.55,-6.325) ; C4N.1@32.525,34.741 32.55,34.766 v1(32.55,35.675) ; C4F.1@32.525,76.741 32.55,76.766 v1(32.55,77.675) ; U4^.6@36.125,-76.535 v1(36.125,-75.575) ; U4V.6@36.125,-34.535 v1(36.125,-33.575) ; U4N.6@36.125,7.465 v1(36.125,8.425) ; U4F.6@36.125,49.465 v1(36.125,50.425) ; v1(37.375,-50.425) U2^.6@37.375,-49.465 ; v1(37.375,-8.425) U2V.6@37.375,-7.465 ; v1(37.375,33.575) U2N.6@37.375,34.535 ; v1(37.375,75.575) U2F.6@37.375,76.535 ; U3_.6@46.615,-76.545 46.625,-76.535 v1(46.625,-75.575) ; U3W.6@46.615,-34.545 46.625,-34.535 v1(46.625,-33.575) ; U3O.6@46.615,7.455 46.625,7.465 v1(46.625,8.425) ; U3G.6@46.615,49.455 46.625,49.465 v1(46.625,50.425) ; U1_.6@47.875,-49.465 47.9,-49.44 v1(47.9,-48.225) ; U1W.6@47.875,-7.465 47.9,-7.44 v1(47.9,-6.225) ; U1O.6@47.875,34.535 47.9,34.56 v1(47.9,35.775) ; U1G.6@47.875,76.535 47.9,76.56 v1(47.9,77.775) ; v1(51.325,-77.45) C6_.1@51.325,-76.49 ; v1(51.325,-35.45) C6W.1@51.325,-34.49 ; v1(51.325,6.55) C6O.1@51.325,7.51 ; v1(51.325,48.55) C6G.1@51.325,49.51 ; C2_.1@51.375,-55.091 51.35,-55.116 51.45,-55.216 51.3,-55.366 51.45,-55.516 v1(51.45,-56.125) ; C2W.1@51.375,-13.091 51.35,-13.116 51.45,-13.216 51.3,-13.366 51.45,-13.516 v1(51.45,-14.125) ; C2O.1@51.375,28.909 51.35,28.884 51.45,28.784 51.3,28.634 51.45,28.484 v1(51.45,27.875) ; C2G.1@51.375,70.909 51.35,70.884 51.45,70.784 51.3,70.634 51.45,70.484 v1(51.45,69.875) ; v1(53.05,-69.8) 53.05,-70.135 C8_.1@53.5,-70.585 ; v1(53.05,-27.8) 53.05,-28.135 C8W.1@53.5,-28.585 ; v1(53.05,14.2) 53.05,13.865 C8O.1@53.5,13.415 ; v1(53.05,56.2) 53.05,55.865 C8G.1@53.5,55.415 ; C4_.1@53.525,-49.259 53.55,-49.234 v1(53.55,-48.325) ; C4W.1@53.525,-7.259 53.55,-7.234 v1(53.55,-6.325) ; C4O.1@53.525,34.741 53.55,34.766 v1(53.55,35.675) ; C4G.1@53.525,76.741 53.55,76.766 v1(53.55,77.675) ; U4_.6@57.125,-76.535 v1(57.125,-75.575) ; U4W.6@57.125,-34.535 v1(57.125,-33.575) ; U4O.6@57.125,7.465 v1(57.125,8.425) ; U4G.6@57.125,49.465 v1(57.125,50.425) ; v1(58.375,-50.425) U2_.6@58.375,-49.465 ; v1(58.375,-8.425) U2W.6@58.375,-7.465 ; v1(58.375,33.575) U2O.6@58.375,34.535 ; v1(58.375,75.575) U2G.6@58.375,76.535 ; U3`.6@67.615,-76.545 67.625,-76.535 v1(67.625,-75.575) ; U3X.6@67.615,-34.545 67.625,-34.535 v1(67.625,-33.575) ; U3P.6@67.615,7.455 67.625,7.465 v1(67.625,8.425) ; U3H.6@67.615,49.455 67.625,49.465 v1(67.625,50.425) ; U1`.6@68.875,-49.465 68.9,-49.44 v1(68.9,-48.225) ; U1X.6@68.875,-7.465 68.9,-7.44 v1(68.9,-6.225) ; U1P.6@68.875,34.535 68.9,34.56 v1(68.9,35.775) ; U1H.6@68.875,76.535 68.9,76.56 v1(68.9,77.775) ; v1(72.325,-77.45) C6`.1@72.325,-76.49 ; v1(72.325,-35.45) C6X.1@72.325,-34.49 ; v1(72.325,6.55) C6P.1@72.325,7.51 ; v1(72.325,48.55) C6H.1@72.325,49.51 ; C2`.1@72.375,-55.091 72.35,-55.116 72.45,-55.216 72.3,-55.366 72.45,-55.516 v1(72.45,-56.125) ; C2X.1@72.375,-13.091 72.35,-13.116 72.45,-13.216 72.3,-13.366 72.45,-13.516 v1(72.45,-14.125) ; C2P.1@72.375,28.909 72.35,28.884 72.45,28.784 72.3,28.634 72.45,28.484 v1(72.45,27.875) ; C2H.1@72.375,70.909 72.35,70.884 72.45,70.784 72.3,70.634 72.45,70.484 v1(72.45,69.875) ; v1(74.05,-69.8) 74.05,-70.135 C8`.1@74.5,-70.585 ; v1(74.05,-27.8) 74.05,-28.135 C8X.1@74.5,-28.585 ; v1(74.05,14.2) 74.05,13.865 C8P.1@74.5,13.415 ; v1(74.05,56.2) 74.05,55.865 C8H.1@74.5,55.415 ; C4`.1@74.525,-49.259 74.55,-49.234 v1(74.55,-48.325) ; C4X.1@74.525,-7.259 74.55,-7.234 v1(74.55,-6.325) ; C4P.1@74.525,34.741 74.55,34.766 v1(74.55,35.675) ; C4H.1@74.525,76.741 74.55,76.766 v1(74.55,77.675) ; U4`.6@78.125,-76.535 v1(78.125,-75.575) ; U4X.6@78.125,-34.535 v1(78.125,-33.575) ; U4P.6@78.125,7.465 v1(78.125,8.425) ; U4H.6@78.125,49.465 v1(78.125,50.425) ; v1(79.375,-50.425) U2`.6@79.375,-49.465 ; v1(79.375,-8.425) U2X.6@79.375,-7.465 ; v1(79.375,33.575) U2P.6@79.375,34.535 ; v1(79.375,75.575) U2H.6@79.375,76.535
  Top w1: Header2.11@-22.685,-44.887 -22.626,-44.828 v3(-22.626,-43.273) ; Header2.12@-22.685,-39.1 -22.675,-39.11 v3(-22.675,-40.85) ; Header1.11@-22.685,39.112 -22.626,39.172 v3(-22.626,40.727) ; Header1.12@-22.685,44.9 -22.675,44.89 v3(-22.675,43.15) ; Header2.23@-7.445,-44.887 -7.4,-44.842 v3(-7.4,-43.05) ; Header2.24@-7.445,-39.1 Header2.24@-7.445,-39.106 -7.445,-40.846 v3(-7.415,-40.876) ; Header1.23@-7.445,39.112 -7.4,39.158 v3(-7.4,40.95) ; Header1.24@-7.445,44.9 -7.445,43.154 v3(-7.415,43.124) ; Header2.35@7.795,-44.887 v3(7.795,-42.705) 7.795,-39.19 7.75,-39.145 Header2.36@7.795,-39.1 ; Header1.35@7.795,39.112 v3(7.795,41.295) 7.795,44.81 7.75,44.855 Header1.36@7.795,44.9
pads on no net: U1[.1 U1[.8 U1\.1 U1\.8 U1].1 U1].8 U1^.1 U1^.8 U1_.1 U1_.8 U1`.1 U1`.8 U1A.1 U1A.8 U1B.1 U1B.8 U1C.1 U1C.8 U1D.1 U1D.8 U1E.1 U1E.8 U1F.1 U1F.8 U1G.1 U1G.8 U1H.1 U1H.8 U1I.1 U1I.8 U1J.1 U1J.8 U1K.1 U1K.8 U1L.1 U1L.8 U1M.1 U1M.8 U1N.1 U1N.8 U1O.1 U1O.8 U1P.1 U1P.8 U1Q.1 U1Q.8 U1R.1 U1R.8 U1S.1 U1S.8 U1T.1 U1T.8 U1U.1 U1U.8 U1V.1 U1V.8 U1W.1 U1W.8 U1X.1 U1X.8 U1Y.1 U1Y.8 U1Z.1 U1Z.8 U2[.1 U2[.8 U2\.1 U2\.8 U2].1 U2].8 U2^.1 U2^.8 U2_.1 U2_.8 U2`.1 U2`.8 U2A.1 U2A.8 U2B.1 U2B.8 U2C.1 U2C.8 U2D.1 U2D.8 U2E.1 U2E.8 U2F.1 U2F.8 U2G.1 U2G.8 U2H.1 U2H.8 U2I.1 U2I.8 U2J.1 U2J.8 U2K.1 U2K.8 U2L.1 U2L.8 U2M.1 U2M.8 U2N.1 U2N.8 U2O.1 U2O.8 U2P.1 U2P.8 U2Q.1 U2Q.8 U2R.1 U2R.8 U2S.1 U2S.8 U2T.1 U2T.8 U2U.1 U2U.8 U2V.1 U2V.8 U2W.1 U2W.8 U2X.1 U2X.8 U2Y.1 U2Y.8 U2Z.1 U2Z.8 U3[.1 U3[.8 U3\.1 U3\.8 U3].1 U3].8 U3^.1 U3^.8 U3_.1 U3_.8 U3`.1 U3`.8 U3A.1 U3A.8 U3B.1 U3B.8 U3C.1 U3C.8 U3D.1 U3D.8 U3E.1 U3E.8 U3F.1 U3F.8 U3G.1 U3G.8 U3H.1 U3H.8 U3I.1 U3I.8 U3J.1 U3J.8 U3K.1 U3K.8 U3L.1 U3L.8 U3M.1 U3M.8 U3N.1 U3N.8 U3O.1 U3O.8 U3P.1 U3P.8 U3Q.1 U3Q.8 U3R.1 U3R.8 U3S.1 U3S.8 U3T.1 U3T.8 U3U.1 U3U.8 U3V.1 U3V.8 U3W.1 U3W.8 U3X.1 U3X.8 U3Y.1 U3Y.8 U3Z.1 U3Z.8 U4[.1 U4[.8 U4\.1 U4\.8 U4].1 U4].8 U4^.1 U4^.8 U4_.1 U4_.8 U4`.1 U4`.8 U4A.1 U4A.8 U4B.1 U4B.8 U4C.1 U4C.8 U4D.1 U4D.8 U4E.1 U4E.8 U4F.1 U4F.8 U4G.1 U4G.8 U4H.1 U4H.8 U4I.1 U4I.8 U4J.1 U4J.8 U4K.1 U4K.8 U4L.1 U4L.8 U4M.1 U4M.8 U4N.1 U4N.8 U4O.1 U4O.8 U4P.1 U4P.8 U4Q.1 U4Q.8 U4R.1 U4R.8 U4S.1 U4S.8 U4T.1 U4T.8 U4U.1 U4U.8 U4V.1 U4V.8 U4W.1 U4W.8 U4X.1 U4X.8 U4Y.1 U4Y.8 U4Z.1 U4Z.8 U5[.9 U5\.9 U5].9 U5^.9 U5_.9 U5`.9 U5A.9 U5B.9 U5C.9 U5D.9 U5E.9 U5F.9 U5G.9 U5H.9 U5I.9 U5J.9 U5K.9 U5L.9 U5M.9 U5N.9 U5O.9 U5P.9 U5Q.9 U5R.9 U5S.9 U5T.9 U5U.9 U5V.9 U5W.9 U5X.9 U5Y.9 U5Z.9

## Polygon pours and split planes (outlines as drawn)
GND on Bottom "BoT_GND" (solid, remove dead copper, pour order 18): -83.65,83.425 83.75,83.425 83.75,-82.925 -83.65,-82.925
GND on GND "GNDGND" (solid, remove dead copper, pour order 22): -82.65,80.4 82.9,80.4 82.9,-80.8 -82.65,-80.8
VCC on VCC "VCC GND" (solid, remove dead copper, pour order 30): -82.65,80.4 82.9,80.4 82.9,-80.8 -82.65,-80.8
GND on Top "Top-GND" (solid, remove dead copper, pour order 34): -83.65,83.425 83.75,83.425 83.75,-82.925 -83.65,-82.925
GND on Internal "Internal-GND" (solid, remove dead copper, pour order 36): -82.65,80.4 82.9,80.4 82.9,-80.8 -82.65,-80.8
VS on VS "VS GND" (solid, remove dead copper, pour order 38): -82.65,80.4 82.9,80.4 82.9,-80.8 -82.65,-80.8

## Keep-outs
Keep-Out Layer:
  lines w0.1: -83.976,78.811 cw(c-78.812,78.811) -78.812,83.975 ; -83.975,-43.025 -83.975,-78.805 ccw(c-78.805,-78.805) -78.805,-83.975 -43.025,-83.975 ; -83.976,-43 ccw(c-84,-42) -83.976,-41 ; -83.975,-40.975 -83.975,41 ccw(c-84,42) -83.976,43 ; -83.975,43.025 -83.975,78.811 ; -78.787,83.975 -43,83.975 ccw(c-42,84) -41,83.975 41,83.975 ccw(c42,84) 43,83.976 ; -43,-83.976 cw(c-42,-84) -41,-83.975 40.975,-83.975 ; 41,-83.976 cw(c42,-84) 43,-83.976 ; 43.025,-83.975 78.815,-83.975 ccw(c78.815,-78.815) 83.975,-78.815 83.975,-43.025 ; 43.025,83.975 78.814,83.975 cw(c78.814,78.808) 83.98,78.808 83.98,43.02 ; 83.975,40.975 83.975,-41 ccw(c84,-42) 83.976,-43 ; 83.976,41 cw(c84,42) 83.981,43

## Other copper
Top:
  region net GND: -9.4,82.721 -80.875,82.721 -80.875,80.55 -9.4,80.55

## Silkscreen, mask and mechanical layers (free items; w line width, h text height)
Top Overlay:
  drawing of 1611 lines, arcs and shapes, not listed
  text "ID:" at -80.728,41.627 h1.2
  text "BY:" at -72.125,-42.585 h1.2
  text "CAL:" at -82.125,-42.61 h1.2
  text "PCB by Ben K. for MSD Lab © UCL 2020 - 2023" at -81,-82.925 h2.8
  text "Acoustophoretic Array Board" at 9.25,-83.925 h5
Bottom Overlay:
  lines w0.35: -82.508,80.015 -82.508,82.225 ; -82.482,82.25 -80.196,82.25
Top Mask:
  text "PCB by Ben K. for MSD Lab © UCL 2020 - 2023" at -81.075,80.525 h2.8
Mechanical 8:
  text "Screw to screw 84" at 4.004,85.504 h1.52

## Dimensions
-36.905,39.456 to -36.905,-39.45 on Mechanical 8
14.395,44.556 to 14.395,39.456 on Mechanical 8
14.395,39.456 to -36.905,44.556 on Mechanical 8
14.395,44.556 to -41,83.975 on Mechanical 8
14.395,-39.45 to 83.975,-41 on Mechanical 8
-36.905,-44.55 to -41,-83.975 on Mechanical 8
-36.905,-39.45 to -83.975,-41.85 on Mechanical 8

## Text inside footprints (layer, text, board x,y; h text height)
1#: Top Overlay "+" at 31.025,-46.513 h1.5 r180; Bottom Overlay "+" at 31.025,-46.513 h1.5 r180
1-: Top Overlay "+" at 73.025,-46.513 h1.5 r180; Bottom Overlay "+" at 73.025,-46.513 h1.5 r180
1[: Top Overlay "+" at -31.975,-46.513 h1.5 r180; Bottom Overlay "+" at -31.975,-46.513 h1.5 r180
1\: Top Overlay "+" at -10.975,-46.513 h1.5 r180; Bottom Overlay "+" at -10.975,-46.513 h1.5 r180
1]: Top Overlay "+" at 10.025,-46.513 h1.5 r180; Bottom Overlay "+" at 10.025,-46.513 h1.5 r180
1_: Top Overlay "+" at 52.025,-46.513 h1.5 r180; Bottom Overlay "+" at 52.025,-46.513 h1.5 r180
1A: Top Overlay "+" at -73.975,79.487 h1.5 r180; Bottom Overlay "+" at -73.975,79.487 h1.5 r180
1B: Top Overlay "+" at -52.975,79.487 h1.5 r180; Bottom Overlay "+" at -52.975,79.487 h1.5 r180
1C: Top Overlay "+" at -31.975,79.487 h1.5 r180; Bottom Overlay "+" at -31.975,79.487 h1.5 r180
1D: Top Overlay "+" at -10.975,79.487 h1.5 r180; Bottom Overlay "+" at -10.975,79.487 h1.5 r180
1E: Top Overlay "+" at 10.025,79.487 h1.5 r180; Bottom Overlay "+" at 10.025,79.487 h1.5 r180
1F: Top Overlay "+" at 31.025,79.487 h1.5 r180; Bottom Overlay "+" at 31.025,79.487 h1.5 r180
1G: Top Overlay "+" at 52.025,79.487 h1.5 r180; Bottom Overlay "+" at 52.025,79.487 h1.5 r180
1H: Top Overlay "+" at 73.025,79.487 h1.5 r180; Bottom Overlay "+" at 73.025,79.487 h1.5 r180
1I: Top Overlay "+" at -73.975,37.487 h1.5 r180; Bottom Overlay "+" at -73.975,37.487 h1.5 r180
1J: Top Overlay "+" at -52.975,37.487 h1.5 r180; Bottom Overlay "+" at -52.975,37.487 h1.5 r180
1K: Top Overlay "+" at -31.975,37.487 h1.5 r180; Bottom Overlay "+" at -31.975,37.487 h1.5 r180
1L: Top Overlay "+" at -10.975,37.487 h1.5 r180; Bottom Overlay "+" at -10.975,37.487 h1.5 r180
1M: Top Overlay "+" at 10.025,37.487 h1.5 r180; Bottom Overlay "+" at 10.025,37.487 h1.5 r180
1N: Top Overlay "+" at 31.025,37.487 h1.5 r180; Bottom Overlay "+" at 31.025,37.487 h1.5 r180
1O: Top Overlay "+" at 52.025,37.487 h1.5 r180; Bottom Overlay "+" at 52.025,37.487 h1.5 r180
1P: Top Overlay "+" at 73.025,37.487 h1.5 r180; Bottom Overlay "+" at 73.025,37.487 h1.5 r180
1Q: Top Overlay "+" at -73.975,-4.513 h1.5 r180; Bottom Overlay "+" at -73.975,-4.513 h1.5 r180
1R: Top Overlay "+" at -52.975,-4.513 h1.5 r180; Bottom Overlay "+" at -52.975,-4.513 h1.5 r180
1S: Top Overlay "+" at -31.975,-4.513 h1.5 r180; Bottom Overlay "+" at -31.975,-4.513 h1.5 r180
1T: Top Overlay "+" at -10.975,-4.513 h1.5 r180; Bottom Overlay "+" at -10.975,-4.513 h1.5 r180
1U: Top Overlay "+" at 10.025,-4.513 h1.5 r180; Bottom Overlay "+" at 10.025,-4.513 h1.5 r180
1V: Top Overlay "+" at 31.025,-4.513 h1.5 r180; Bottom Overlay "+" at 31.025,-4.513 h1.5 r180
1W: Top Overlay "+" at 52.025,-4.513 h1.5 r180; Bottom Overlay "+" at 52.025,-4.513 h1.5 r180
1X: Top Overlay "+" at 73.025,-4.513 h1.5 r180; Bottom Overlay "+" at 73.025,-4.513 h1.5 r180
1Y: Top Overlay "+" at -73.975,-46.513 h1.5 r180; Bottom Overlay "+" at -73.975,-46.513 h1.5 r180
1Z: Top Overlay "+" at -52.975,-46.513 h1.5 r180; Bottom Overlay "+" at -52.975,-46.513 h1.5 r180
2: Top Overlay "+" at -42.475,79.487 h1.5 r180; Bottom Overlay "+" at -42.475,79.487 h1.5 r180
2#: Top Overlay "+" at 41.525,-46.513 h1.5 r180; Bottom Overlay "+" at 41.525,-46.513 h1.5 r180
2-: Top Overlay "+" at 83.525,-46.513 h1.5 r180; Bottom Overlay "+" at 83.525,-46.513 h1.5 r180
2[: Top Overlay "+" at -21.475,-46.513 h1.5 r180; Bottom Overlay "+" at -21.475,-46.513 h1.5 r180
2\: Top Overlay "+" at -0.475,-46.513 h1.5 r180; Bottom Overlay "+" at -0.475,-46.513 h1.5 r180
2]: Top Overlay "+" at 20.525,-46.513 h1.5 r180; Bottom Overlay "+" at 20.525,-46.513 h1.5 r180
2_: Top Overlay "+" at 62.525,-46.513 h1.5 r180; Bottom Overlay "+" at 62.525,-46.513 h1.5 r180
2A: Top Overlay "+" at -63.475,79.487 h1.5 r180; Bottom Overlay "+" at -63.475,79.487 h1.5 r180
2C: Top Overlay "+" at -21.475,79.487 h1.5 r180; Bottom Overlay "+" at -21.475,79.487 h1.5 r180
2D: Top Overlay "+" at -0.475,79.487 h1.5 r180; Bottom Overlay "+" at -0.475,79.487 h1.5 r180
2E: Top Overlay "+" at 20.525,79.487 h1.5 r180; Bottom Overlay "+" at 20.525,79.487 h1.5 r180
2F: Top Overlay "+" at 41.525,79.487 h1.5 r180; Bottom Overlay "+" at 41.525,79.487 h1.5 r180
2G: Top Overlay "+" at 62.525,79.487 h1.5 r180; Bottom Overlay "+" at 62.525,79.487 h1.5 r180
2H: Top Overlay "+" at 83.525,79.487 h1.5 r180; Bottom Overlay "+" at 83.525,79.487 h1.5 r180
2I: Top Overlay "+" at -63.475,37.487 h1.5 r180; Bottom Overlay "+" at -63.475,37.487 h1.5 r180
2J: Top Overlay "+" at -42.475,37.487 h1.5 r180; Bottom Overlay "+" at -42.475,37.487 h1.5 r180
2K: Top Overlay "+" at -21.475,37.487 h1.5 r180; Bottom Overlay "+" at -21.475,37.487 h1.5 r180
2L: Top Overlay "+" at -0.475,37.487 h1.5 r180; Bottom Overlay "+" at -0.475,37.487 h1.5 r180
2M: Top Overlay "+" at 20.525,37.487 h1.5 r180; Bottom Overlay "+" at 20.525,37.487 h1.5 r180
2N: Top Overlay "+" at 41.525,37.487 h1.5 r180; Bottom Overlay "+" at 41.525,37.487 h1.5 r180
2O: Top Overlay "+" at 62.525,37.487 h1.5 r180; Bottom Overlay "+" at 62.525,37.487 h1.5 r180
2P: Top Overlay "+" at 83.525,37.487 h1.5 r180; Bottom Overlay "+" at 83.525,37.487 h1.5 r180
2Q: Top Overlay "+" at -63.475,-4.513 h1.5 r180; Bottom Overlay "+" at -63.475,-4.513 h1.5 r180
2R: Top Overlay "+" at -42.475,-4.513 h1.5 r180; Bottom Overlay "+" at -42.475,-4.513 h1.5 r180
2S: Top Overlay "+" at -21.475,-4.513 h1.5 r180; Bottom Overlay "+" at -21.475,-4.513 h1.5 r180
2T: Top Overlay "+" at -0.475,-4.513 h1.5 r180; Bottom Overlay "+" at -0.475,-4.513 h1.5 r180
2U: Top Overlay "+" at 20.525,-4.513 h1.5 r180; Bottom Overlay "+" at 20.525,-4.513 h1.5 r180